# KiCad board PC110.kicad_pcb (continued)
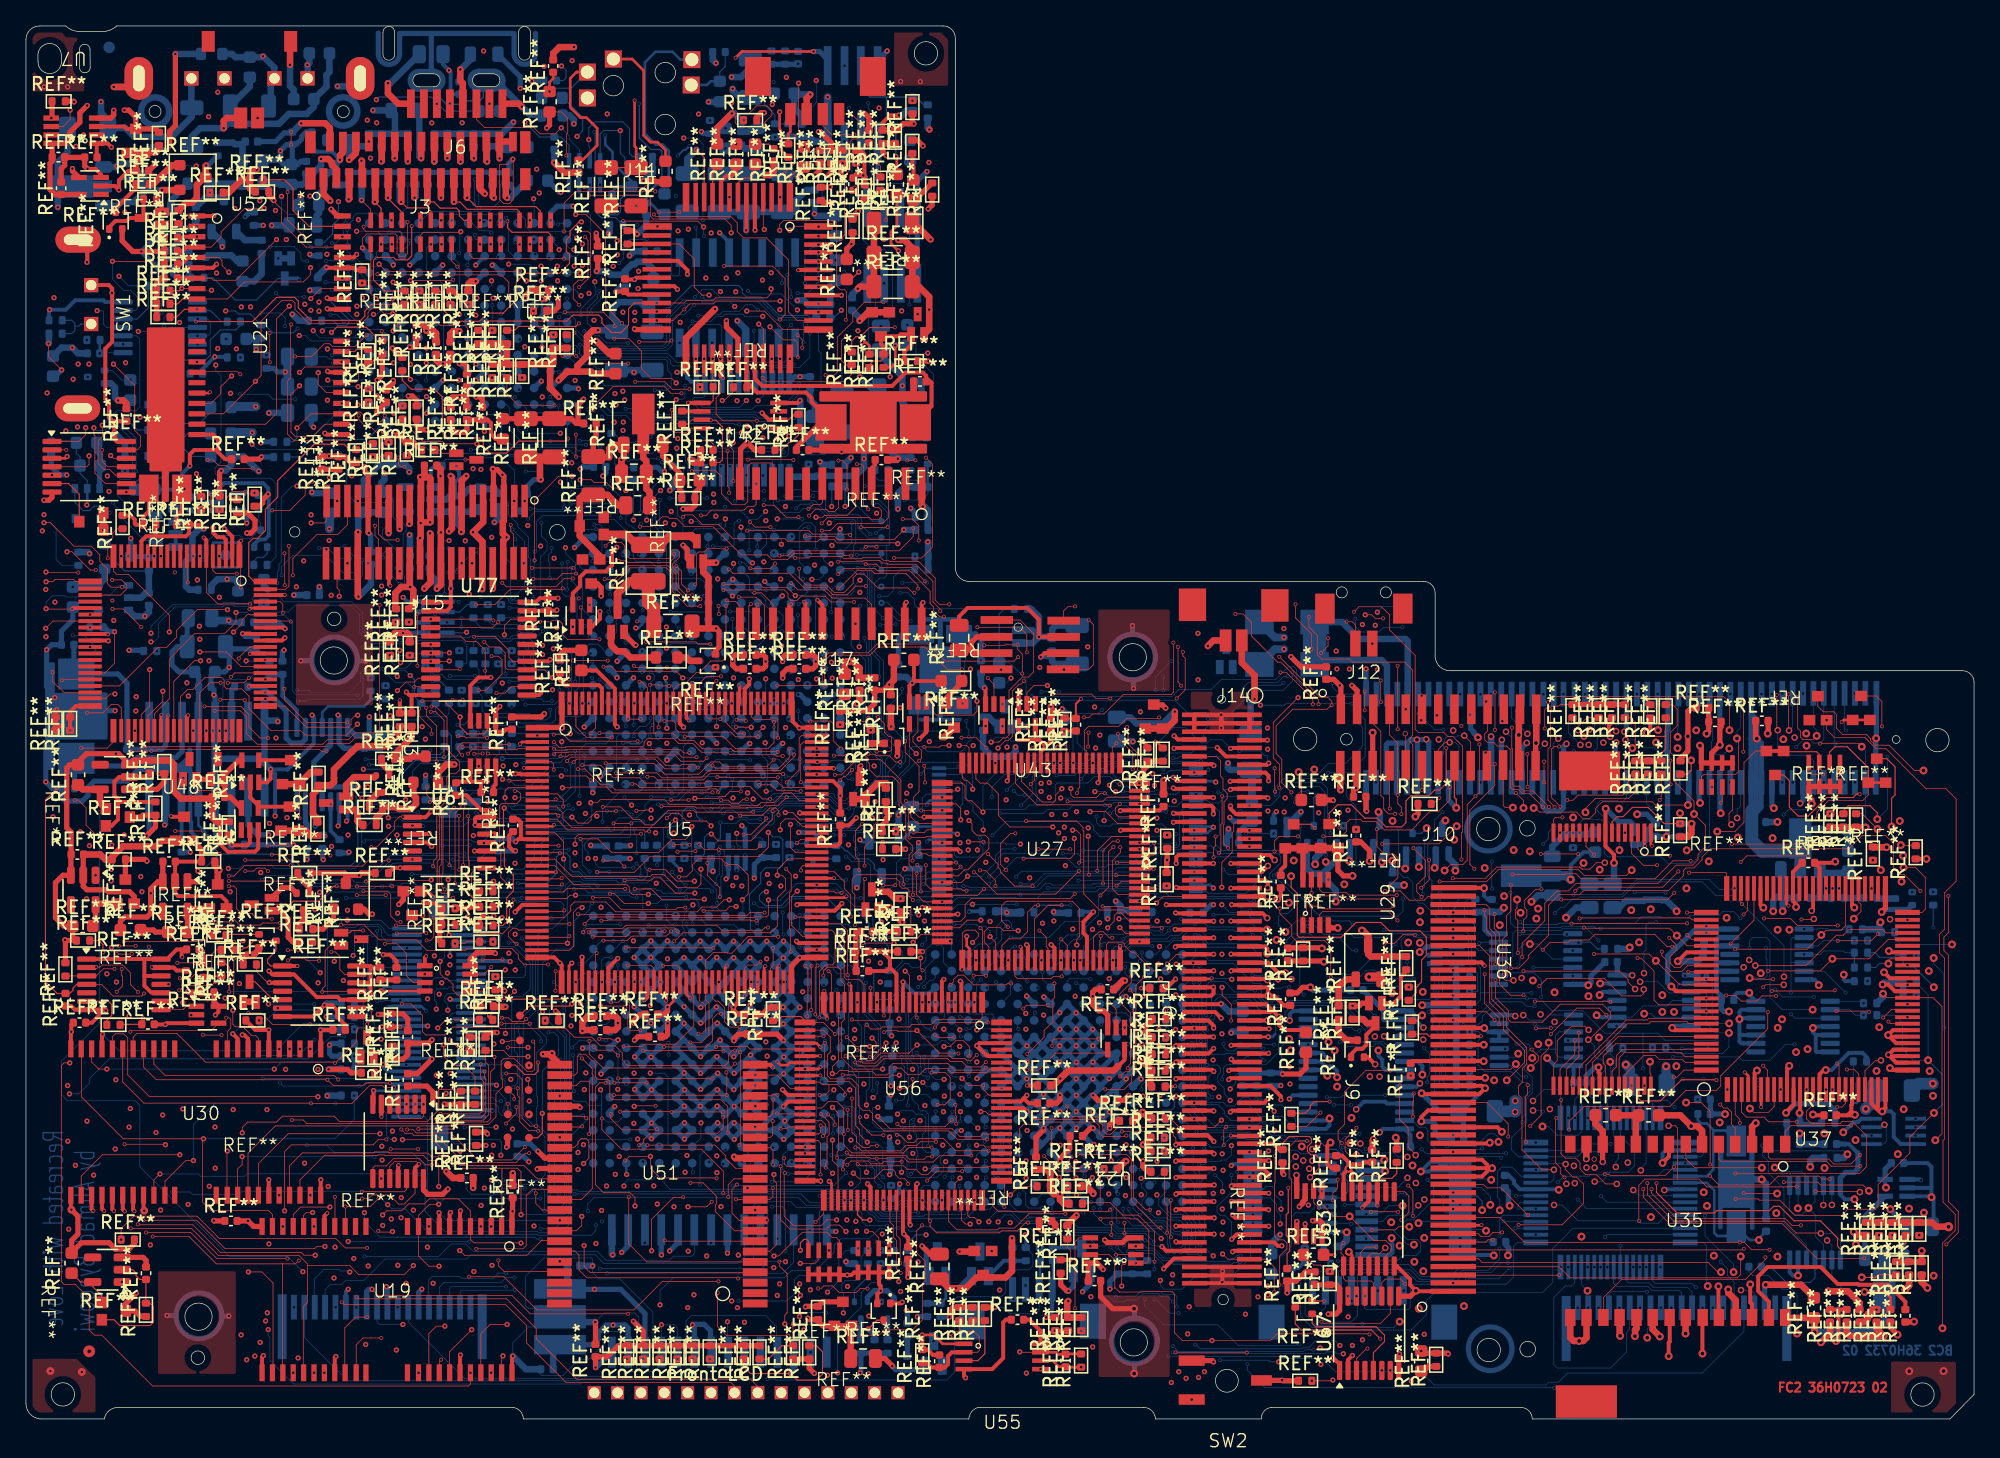
[diagram p0: board, top side]
## Routing (per net, layer and track width the routed paths; a pad name or vN(x,y) marks a point on that pad's centre or on a via; arc(x,y) is an arc through that point) (continued)
RAM_IOL7: length 212
  FC2 w0.05: v1(31.79,16.54) 31.09,16.54 30.23,15.69 30.23,12.57 31.03,11.77 v1(31.82,11.77)
  IC2 w0.05: v1(31.82,11.77) 31.32,12.27 27.81,12.27 24.51,15.57 24.51,32.36 26.06,33.91 26.06,39.39 26.81,40.14 26.81,51.46 25.04,53.23 25.04,55.21 28.21,58.38 28.21,64.23 29.79,65.81 33.15,65.81 35.14,67.8 35.14,70.86 33.55,72.46 33.55,72.86 33.55,72.86 33.55,74.27 33.95,74.67 33.95,76.74 36.71,79.5 36.71,86.42 39.76,89.47 43.77,89.47 46.13,87.11 v1(47.15,87.11)
  BC1 w0.05: v11(47.37,69.86) 47.37,68.33 48.18,67.52 48.18,63.93 48.71,63.4 v11(48.71,62.19) ; v11(57.54,20.91) 57.08,20.91 54.85,18.68 54.47,18.68 52.78,16.99 v11(39.62,16.99) ; v11(47.34,71.16) 47.34,81.02 46.36,82 v11(46.36,82.92) ; v11(44.17,86.94) 44.21,86.94 44.22,86.93 44.74,86.93 45.12,87.31 46.29,87.31 46.49,87.11 v1(47.15,87.11) 47.51,87.11 47.81,87.41 47.81,88.91 47.55,89.17 47.55,90.12 47.81,90.38 v11(47.81,90.92) ; v11(45.98,90.39) 45.98,92.85 45.84,92.99 45.84,94.42 45.98,94.56 45.98,96.97 45.5,97.45 40.04,97.45 38.95,98.54 38.38,98.54 37.92,98.08 37.92,96.11 37.09,95.28 v11(36.55,95.28)
  BC2 w0.05: v11(47.37,69.86) 47.34,69.89 v11(47.34,71.16) ; v11(46.36,82.92) 44.71,82.92 44.16,83.47 43.86,83.47 43.58,83.75 43.58,84.11 43.23,84.46 43.23,85.58 44.03,86.38 44.03,86.62 44.17,86.76 v11(44.17,86.94) ; v11(47.81,90.92) 47.42,90.92 47.39,90.89 46.48,90.89 v11(45.98,90.39) ; v11(36.55,95.28) 36.55,93.92 35.69,93.06 31.16,93.06 U23.D1 ; v11(48.71,62.19) 48.76,62.15 U2.E6 ; U1.M15 57.72,20.98 ; J2.30 30.69,23.29 30.92,23.06 30.92,17.53 31.79,16.66 v1(31.79,16.54) 32.24,16.99 v11(39.62,16.99)
  vias: v11(47.37,68.99)
RAM_IOL8: length 174.6
  FC1 w0.05: v1(30.92,13.24) 30.97,13.19 30.97,4.3 v2(30.23,3.56)
  IC1 w0.05: v1(23.81,13.24) v1(30.92,13.24)
  IC2 w0.05: v1(23.81,13.24) 21.45,15.6 21.45,18.84 21.98,19.37 21.98,34.08 22.29,34.39 v1(22.66,34.39)
  BC1 w0.05: v11(23.66,74.7) 23.66,74.71 23.67,74.72 23.67,81.33 v11(23.66,81.34) ; v1(30.92,13.24) 30.92,22.92 v11(31.2,23.2) ; v11(46.2,60.99) 45.89,61.3 43.55,61.3 43.35,61.1 v11(43.05,61.1) ; v11(41.99,65.61) 28.99,65.61 28.94,65.56 v11(28.55,65.56) 28.1,65.11 28.1,64.01 28.21,63.9 28.21,60.29 27.46,59.54 27.46,56.96 27.07,56.57 27.07,54.62 27.33,54.36 27.33,53.7 26.83,53.2 26.83,51.35 27.14,51.04 27.14,48.57 27.25,48.46 27.25,41.63 27.44,41.44 v11(27.44,41.02) ; v11(35.94,23.74) 36.19,23.74 36.42,23.97 39.97,23.97 40.52,24.52 55.59,24.52 56.45,23.66 56.45,21.11 v11(56.44,21.1) ; v11(32.68,87.62) 32.29,87.62 31.84,87.17 31.84,86.23 31.57,85.96 30.76,85.96 29.91,85.11 29.91,84.15 29.09,83.33 v11(27.04,83.33)
  BC2 w0.05: U1.L15 56.44,21.02 v11(56.44,21.1) ; U23.F4 32.79,87.73 v11(32.68,87.62) ; v11(28.55,65.56) 28.55,66.91 27.45,68.01 27.45,68.48 28.1,69.13 28.1,70.41 27.87,70.64 25.38,70.64 24.69,71.33 24.69,74.09 24.08,74.7 v11(23.66,74.7) ; v11(23.66,81.34) 26.91,81.34 27.02,81.45 27.02,83.31 v11(27.04,83.33) ; v11(46.2,60.99) 46.2,61.64 ; v1(22.66,34.39) 21.67,35.38 21.67,40.57 22.13,41.03 24.12,41.03 24.29,40.86 26.79,40.86 26.95,41.02 v11(27.44,41.02) ; v11(31.2,23.2) 31.79,23.79 34.32,23.79 34.33,23.78 ; v11(41.99,65.61) 41.99,64.64 42.44,64.19 42.44,61.71 v11(43.05,61.1)
  BC2 w0.2: v11(35.94,23.74) 35.9,23.78
  BC2 w0.3: J2.32 35.89,23.79 v11(35.94,23.74)
RAM_IOL9: length 133.3
  FC2 w0.05: U19.36 31.04,6.58 31.61,7.15 v1(32.26,7.15)
  BC1 w0.05: v11(35.9,66.38) v11(36.91,66.38) ; v11(34.87,67.86) 34.87,68.93 34.06,69.74 33.07,69.74 31.52,71.29 31.52,73.2 32.88,74.56 32.88,78.88 33.18,79.18 33.56,79.18 33.76,79.38 33.76,80.38 33.35,80.79 33.13,80.79 32.84,81.08 32.84,81.1 32.81,81.13 32.81,81.44 32.43,81.82 v11(32.15,81.82) ; v11(37.98,23.39) 38.39,22.98 40.08,22.98 40.39,23.29 42.26,23.29 42.59,22.96 44.2,22.96 44.45,23.21 47.22,23.21 47.6,22.83 47.6,22.68 47.9,22.38 54.26,22.38 55.16,21.48 v11(55.16,19.84) ; v11(44.9,60.97) 44.54,60.97 44.38,60.81 41.9,60.81 41.29,61.42 40.62,61.42 40.22,61.02 40.22,60.66 39.98,60.42 39.59,60.42 39.22,60.79 v11(39.22,61.3) 39,61.3 38.9,61.2 38.9,59.06 38.57,58.73 38.57,57 39.09,56.48 39.09,53.25 39.41,52.93 39.41,42.83 39.32,42.74 39.32,33.21 39.08,32.97 39.08,30.39 38.85,30.16 v11(37.93,30.16) ; v1(32.26,7.15) 32.26,16.71 33.53,17.98 33.89,17.98 34.36,18.45 34.36,24.22 v11(34.29,24.29)
  BC2 w0.05: v11(32.15,81.82) 32.15,87.41 31.83,87.73 31.22,87.73 30.87,88.08 30.87,90.23 U23.E2 ; v11(34.87,67.86) 35.9,66.83 v11(35.9,66.38) ; v11(37.93,30.16) 37.93,29.76 38.04,29.65 38.04,24.63 37.95,24.54 37.95,23.42 v11(37.98,23.39) 36.68,23.39 36.37,23.7 36.37,24.04 36.12,24.29 v11(34.29,24.29) ; v11(36.91,66.38) 37.31,65.98 37.31,63.13 37.4,63.04 37.8,63.04 37.92,63.16 38.71,63.16 38.74,63.13 38.78,63.13 39.22,62.69 v11(39.22,61.3) ; U1.K16 55.16,19.74 v11(55.16,19.84) ; v11(44.9,60.97) 44.93,61 44.93,61.64
RAM_IOL10: length 159.7
  FC2 w0.05: v2(31.98,4.57) 31.84,4.43 U19.37
  FC1 w0.05: v1(39.13,14.87) 39.13,4.68 37.58,3.13 32.74,3.13 31.98,3.89 v2(31.98,4.57) ; v1(41.55,67.15) 40.38,67.15 40.38,67.17 39.52,68.03 39.52,71.48 39.12,71.88 39.12,78.87 39.56,79.31 41.09,79.31 41.83,80.05 41.83,87.8 41.46,88.17 40.97,88.17 40.48,88.66 40.48,90.25 41.22,90.99 v1(42.41,90.99)
  IC2 w0.05: v1(38.77,24.5) 38.32,24.95 38.32,26.57 39.27,27.52 39.27,29.92 39,30.19 37.71,30.19 37.39,30.51 35.87,30.51 35.25,31.13 35.25,33.09 35.82,33.66 38,33.66 39.14,34.8 39.14,55.81 38.44,56.51 38.44,66.22 38.74,66.52 40.3,66.52 40.93,67.15 v1(41.55,67.15)
  IC4 w0.05: v1(38.77,24.5) 38.77,22.8 39.95,21.62 39.95,17.9 39.13,17.08 v1(39.13,14.87)
  BC1 w0.05: v1(39.13,14.87) 39.13,15.84 39.64,16.35 43.46,16.35 43.63,16.18 43.63,16 44.07,15.56 55.01,15.56 55.88,16.43 v11(55.88,18.67) ; v1(38.77,24.5) 36.59,24.5 v11(36.58,24.49)
  BC2 w0.05: v1(42.41,90.99) 41.89,91.51 38.87,91.51 38.47,91.91 38.47,92.43 37.83,93.07 36.52,93.07 36.28,92.83 32.2,92.83 U23.E1 ; v1(41.55,67.15) 41.55,66.72 42.33,65.94 42.33,65.22 42.85,64.7 42.85,62.42 43.05,62.22 43.06,62.22 43.67,61.61 ; J2.34 35.93,24.79 36.23,24.49 v11(36.58,24.49) ; v11(55.88,18.67) 55.79,18.76 55.79,20.32 U1.K15
RAM_IOL11: length 132.6
  FC2 w0.05: U19.38 32.64,5.19 v1(34.33,6.88)
  FC1 w0.05: v1(45.23,88.83) 44.83,88.43 44.83,82.83 44.55,82.55 44.55,75.37 45.34,74.58 45.34,68.79 45.9,68.23 45.9,61.58 46.52,60.96 v1(46.97,60.96)
  IC4 w0.05: v1(42.94,21.14) 42.94,23.49 45.97,26.52 45.97,60.05 45.96,60.05 45.96,60.51 46.41,60.96 v1(46.97,60.96)
  BC1 w0.05: v11(33.38,87.2) 36.08,87.2 36.14,87.26 38.92,87.26 38.96,87.3 39.55,87.3 39.6,87.25 39.94,87.25 40.06,87.37 40.65,87.37 40.84,87.18 41.49,87.18 41.88,87.57 43.25,87.57 43.6,87.22 44.21,87.22 45.23,88.24 v1(45.23,88.83) ; 37.66,21.14 37.66,21.27 36.82,22.11 v11(36.82,23.69) ; 37.66,21.14 37.66,20.13 36.32,18.79 36.32,8.44 34.76,6.88 v1(34.33,6.88) ; 37.66,21.14 v1(42.94,21.14) 43.49,21.14 44.07,20.56 44.07,20.27 44.92,19.42 46.8,19.42 47.23,18.99 49.92,18.99 50.34,19.41 52.71,19.41 52.94,19.64 v11(53.69,19.64)
  BC2 w0.05: v11(53.69,19.64) 53.79,19.64 U1.J16 ; J2.35 36.32,25.29 36.91,24.7 36.91,24.19 36.82,24.1 v11(36.82,23.69) ; U23.F3 33.4,89 33.4,87.22 v11(33.38,87.2)
  BC2 w0.2: 47.47,61.64 47.47,61.25 47.18,60.96 v1(46.97,60.96)
RAM_IOL12: length 338.8
  FC2 w0.05: v1(3.37,27.44) 2.93,27.44 2.72,27.23 2.72,10.58 2.93,10.37 3.8,10.37 4.87,9.3 4.87,6.86 5.27,6.46 5.83,6.46 9.75,2.54 34.08,2.54 34.23,2.7 v2(34.23,3.56)
  FC1 w0.05: v2(34.23,3.56) 34.9,3.56 35.4,4.06 35.4,14.52 35.44,14.56 35.44,16.93 35.31,17.06 v1(35.31,17.79) 35.31,18.39 34.89,18.81 34.89,22.1 35.28,22.49 v1(36.21,22.49)
  IC1 w0.05: v1(39.9,104.24) 39.9,101.99 38.39,100.48 26.68,100.48 v1(26.29,100.09)
  IC2 w0.05: v1(36.21,22.49) 36.21,23.11 36.22,23.12 36.22,23.19 36.71,23.68 39.19,23.68 40.02,24.51 43.46,24.51 43.69,24.74 43.69,27.04 41.68,29.05 41.68,29.82 41.52,29.98 41.52,32.34 44.24,35.06 44.24,37.09 40.87,40.46 40.87,50.29 41.92,51.34 v1(41.92,52.81) ; v1(26.29,100.09) 25.2,99 22.68,99 10.09,86.41 v1(2.16,86.41)
  IC4 w0.05: 2.21,73.31 2.21,73.34 ; 2.21,73.31 2.21,79.12 2.23,79.14 2.23,86.34 v1(2.16,86.41) ; 2.21,73.31 2.21,73.03 3.23,72.01 ; 3.23,72.01 3.62,71.62 3.62,65.81 3.11,65.3 3.11,37.4 3.87,36.65 3.87,27.61 3.7,27.44 v1(3.37,27.44) ; 3.23,72.01 3.21,72.03 ; v1(41.92,52.81) 41.92,55.26 42.72,56.06 42.72,59.54 41.89,60.37 41.89,65.86 42.67,66.64 42.67,70.44 41.58,71.53 41.58,74.96 41.65,75.03 41.65,96.99 39.72,98.92 39.72,99.92 39.88,100.08 39.88,104.22 v1(39.9,104.24)
  BC1 w0.05: v11(42.61,58.05) 44.42,58.05 v11(46.2,59.83) ; v11(34.29,26.29) 34.03,26.03 34.03,23.18 33.78,22.93 v11(33.78,22.47) ; v11(38.43,17.75) 39.05,18.37 53.41,18.37 54.06,19.02 54.06,19.06 54.07,19.07 54.07,20.56 v11(53.89,20.74) ; v1(39.9,104.24) 39.9,103.11 38.78,101.99 37.17,101.99 36.78,101.6 35.61,101.6 35.09,101.08 v11(35.09,95.57) ; v1(41.92,52.81) 41.92,53.3 42.13,53.51 42.13,54.05 42.25,54.17 v11(42.25,54.76) ; v11(32.73,90.6) 35.65,90.6 37.3,92.25 37.3,92.71 37,93.01 35.99,93.01 35.8,93.2 35.39,93.2 35.27,93.32 v11(34.88,93.32)
  BC2 w0.05: v11(38.43,17.75) 38.41,17.73 37.97,17.73 37.91,17.79 v1(35.31,17.79) ; v11(34.88,93.32) 34.88,95.05 35.09,95.26 v11(35.09,95.57) ; v11(42.61,58.05) 42.61,56.4 42.25,56.04 v11(42.25,54.76) ; v11(33.78,22.47) 36.19,22.47 v1(36.21,22.49) ; U23.F2 32.73,90.82 v11(32.73,90.6) ; v11(53.89,20.74) 53.89,20.95 U1.J15 ; v11(46.2,59.83) 46.2,60.37
RAM_IOL13: length 136.2
  FC2 w0.05: v1(37.06,7.28) 35.76,7.28 35.04,6.56 U19.41
  IC4 w0.05: v1(37.06,7.28) 37.06,19.93 37.46,20.33 37.46,22.32 v1(37.48,22.34)
  BC1 w0.05: v11(36.89,82.58) 37.47,82 40.63,82 40.76,81.87 42.63,81.87 44.28,80.22 45.79,80.22 46.7,79.31 46.7,75.07 46.18,74.55 44.61,74.55 44.53,74.47 43.58,74.47 43.47,74.36 43.47,67.57 43.9,67.14 43.9,66.13 44.73,65.3 46.14,65.3 46.63,64.81 46.63,62.95 v11(45.9,62.22) ; v11(41.65,58.68) 44.33,58.68 44.93,59.28 v11(44.93,59.85) ; v11(41.64,56.86) 41.4,56.62 40.39,56.62 40.11,56.34 40.11,55.67 39.28,54.84 39.28,53.48 39.6,53.16 39.6,42.22 39.49,42.11 39.49,32.54 39.26,32.31 39.26,27.92 39.53,27.65 40.57,27.65 40.95,28.03 42.13,28.03 v11(42.14,28.04) ; v1(37.48,22.34) 40.32,22.34 v11(40.33,22.35) 43.21,22.35 44.8,20.76 44.8,20.54 45.7,19.64 46.89,19.64 47.34,19.19 49.73,19.19 50.22,19.68 52.02,19.68 52.15,19.81 v11(52.63,19.81) ; v11(35.92,85.84) 35.57,85.84 35.34,86.07 35.34,86.69 35.15,86.88 v11(32.86,86.88) ; v11(42.22,25.26) 40.37,25.26 v11(40.35,25.28) 40.31,25.24 36.11,25.24 34.56,26.79 v11(34.29,26.79)
  BC2 w0.05: v11(42.14,28.04) 42.16,28.02 42.16,25.32 v11(42.22,25.26) ; v11(32.86,86.88) 32.86,87 U23.F5 ; v11(52.63,19.81) 52.63,19.75 U1.H16 ; v11(41.65,58.68) 41.64,58.67 v11(41.64,56.86) ; v11(40.33,22.35) 40.35,22.37 v11(40.35,25.28) ; v11(36.89,82.58) 36.49,82.58 35.92,83.15 v11(35.92,85.84) ; v11(45.9,62.22) 45.46,61.78 45.46,60.59 45.24,60.37 44.93,60.37 v11(44.93,59.85)
RAM_IOL14: length 242.9
  FC1 w0.05: v1(35.9,11.83) 36.01,11.72 36.01,3.71 35.86,3.56
  IC1 w0.05: v1(1.63,79.07) 2.13,79.57 8.23,79.57 9.01,78.79 9.05,78.79 9.61,78.23 16.43,78.23 17.44,79.24 18.03,79.24 18.85,80.06 18.88,80.06 18.88,81.79 21.7,84.61 22.31,84.61 22.57,84.87 v1(22.57,85.37)
  IC3 w0.05: v1(35.9,11.83) 35.9,13 35.03,13.87 26.88,13.87 26.13,14.62 v1(3.29,14.62)
  IC4 w0.05: v1(1.63,79.07) 1.63,77.89 1.8,77.72 1.8,70.38 2.74,69.44 2.74,67.41 2.75,67.4 2.62,67.28 2.62,15.29 v1(3.29,14.62)
  BC1 w0.05: v11(39.13,17.66) 39.14,17.67 43.37,17.67 43.51,17.53 51.39,17.53 v11(51.92,18.06) ; v11(25.16,87.9) 25.42,87.9 v11(27,89.48) ; v11(24.78,90.49) 24.78,89.57 25.17,89.18 v11(25.17,88.85) ; v11(40.16,60.09) 40.47,59.78 41.28,59.78 41.74,60.24 v11(43.42,60.24) ; v11(29.55,90.81) 30.16,91.42 32.28,91.42 v11(32.73,91.87) ; v1(22.57,85.37) 22.22,85.02 21.37,85.02 20.74,85.65 20.74,89.87 21.83,90.96 22.26,90.96 22.87,91.57 24.35,91.57 24.42,91.64 v11(24.76,91.64) ; v11(37.93,59.8) 37.95,59.82 v11(37.95,60.6) ; v11(37.36,32.21) 36.85,32.21 36.44,32.62 36.44,33.33 36.99,33.88 38.75,33.88 38.91,34.04 38.91,43.15 39.07,43.31 39.07,52.55 38.72,52.9 38.72,56.12 38.21,56.63 38.21,58.23 v11(37.97,58.47) ; v11(33.9,18.58) 33.9,21.4 33.46,21.84 33.46,23.05 33.85,23.44 33.85,26.85 v11(34.29,27.29) ; v11(35.87,17.32) 35.9,17.29 v1(35.9,11.83)
  BC2 w0.05: U1.H15 51.92,20.31 v11(51.92,18.06) ; v11(32.73,91.87) 32.73,92.09 U23.F1 ; v11(27,89.48) 27,89.89 27.34,90.23 29.27,90.23 29.55,90.51 v11(29.55,90.81) ; v11(24.76,91.64) 24.78,91.62 v11(24.78,90.49) ; v11(25.17,88.85) 25.17,87.91 v11(25.16,87.9) ; v11(33.9,18.58) 33.9,17.72 34.3,17.32 v11(35.87,17.32) 38.79,17.32 v11(39.13,17.66) ; v11(37.95,60.6) 38.97,60.6 39.41,61.04 39.94,61.04 40.08,60.9 40.08,60.86 40.16,60.78 v11(40.16,60.09) ; v11(43.42,60.24) 43.53,60.24 43.66,60.37 ; v11(37.97,58.47) 37.97,59.76 v11(37.93,59.8) ; v11(37.36,32.21) 37.42,32.15 37.42,28.1 36.61,27.29 v11(34.29,27.29)
  vias: v2(35.84,3.56)
RAM_IOL15: length 166.5
  FC2 w0.05: U19.43 36.64,4.76 v1(36.74,4.86)
  IC2 w0.05: v1(33.37,85.12) 34.07,85.82 34.07,87.64 38.19,91.76 45.76,91.76 48.15,89.37 50.93,89.37 v1(52.37,87.93)
  IC3 w0.05: v1(36.58,20.32) 37.37,20.32 38.83,18.86 43.62,18.86 44.28,19.52 50.93,19.52 51.47,18.98 v1(53.22,18.98)
  IC4 w0.05: v1(36.58,20.32) 36.58,5.02 v1(36.74,4.86) ; v1(53.22,18.98) 53.87,19.63 53.87,39.65 52.92,40.6 52.92,41.47 52.41,41.98 52.41,42.67 51.85,43.23 51.42,43.23 50.62,44.03 50.62,47.68 51.46,48.52 51.46,50.72 52.09,51.35 v1(52.09,52.11) 52.09,53.17 51.43,53.83 51.43,58.01 50.64,58.8 50.64,65.14 50.09,65.69 50.09,67.82 50.8,68.53 50.8,69.45 51.21,69.86 51.21,70.74 50.75,71.2 50.75,73.39 49.52,74.62 49.52,75.21 49.75,75.44 49.75,78.05 49.23,78.57 49.23,82.68 49.75,83.2 49.75,87.4 49.93,87.58 52.02,87.58 v1(52.37,87.93)
  BC1 w0.05: v11(34.01,87.65) 33.21,87.65 32.5,86.94 32.5,85.53 32.91,85.12 v1(33.37,85.12) ; v11(34.29,27.79) 33.66,27.16 33.66,23.66 33.25,23.25 33.25,22.04 33.16,21.95 v11(33.16,21.52) ; v1(53.22,18.98) 53.22,19.07 51.44,19.07 v11(51.37,19) ; v1(52.09,52.11) v11(52.09,58.4)
  BC2 w0.05: v11(33.16,21.52) 36.45,21.52 36.62,21.35 36.62,20.36 v1(36.58,20.32) ; v11(52.09,58.4) 48.52,58.4 48.17,58.75 48.17,59.65 47.48,60.34 ; v11(51.37,19) 51.32,19.05 U1.G16 ; v11(34.01,87.65) 34.06,87.7 U23.G4
RAM_IOU0: length 149.2
  FC1 w0.05: v2(21.91,28.52) 21.91,29.85 22.34,30.28 22.34,31.96 23.43,33.05 24.59,33.05 25.85,34.31 25.85,37.26 24.76,38.35 v1(24.76,38.44)
  IC4 w0.05: v1(24.76,38.44) 24.1,39.1 24.1,44.63 23.46,45.27 23.46,55.34 21.81,56.99 21.81,64.02 23.76,65.97 23.76,71.35 v1(25.09,72.68)
  BC1 w0.05: 42.98,42.3 42.98,40.09 42.47,39.58 42.47,38.92 43.66,37.73 43.66,34.07 44.28,33.45 45.98,33.45 46.05,33.52 60.61,33.52 60.94,33.19 60.94,31.44 v11(61.32,31.06) ; 42.98,42.3 42.98,42.06 ; 42.98,42.3 43.38,42.7 44.16,42.7 44.43,42.97 44.43,45.64 45.07,46.28 45.07,50.67 ; v11(46.81,53.49) 46.81,53.48 ; 46.81,53.48 46.32,52.99 46.32,51.92 45.07,50.67 ; 46.81,53.48 46.8,53.47 ; 41.94,70.53 v11(41.94,70.52) 39.49,70.52 38.87,71.14 38.87,73.21 v11(38.24,73.84) ; 45.07,50.67 45.07,50.26 ; v11(45.83,70.51) 45.85,70.49 46.52,70.49 46.61,70.4 48,70.4 48.42,69.98 48.42,67.96 48.73,67.65 v11(48.73,66.05) 48.73,64.58 48.9,64.41 48.9,62.64 49.08,62.46 49.08,61.53 48.7,61.15 48.7,58.85 48.89,58.66 48.89,56.62 49.13,56.38 49.13,55.3 48.96,55.13 47.03,55.13 v11(46.81,54.91)
  BC2 w0.05: v11(61.32,31.06) 61.4,31.06 U1.R7 ; v1(25.09,72.68) 25.09,73.57 25.56,74.04 29.44,74.04 29.66,74.26 29.66,76.32 U23.D13 30.25,75.43 31.27,74.41 34.83,74.41 35.13,74.11 35.17,74.11 35.2,74.08 35.98,74.08 36.11,74.21 37.87,74.21 v11(38.24,73.84) ; v11(48.73,66.05) 48.73,66.72 ; v11(45.83,70.51) 45.82,70.52 v11(41.94,70.52) ; 29.38,37.78 29.37,37.79 27.99,37.79 27.34,38.44 v1(24.76,38.44) ; v11(46.81,54.91) v11(46.81,53.49)
RAM_IOU1: length 134.9
  FC1 w0.05: v1(22.5,33.61) 21.49,32.6 21.49,28.9 v2(21.11,28.52)
  IC1 w0.05: v1(32.02,33.61) 32.06,33.65 47.26,33.65 48.09,32.82 v1(48.09,31.86)
  IC2 w0.05: v1(45.37,79.02) 44.77,78.42 44.77,77.66 45.24,77.19 46.96,77.19 47.46,76.69 47.46,71.17 48.3,70.33 48.3,61.51 48.78,61.03 v1(49.33,61.03)
  IC3 w0.05: v1(32.02,33.61) 31.53,34.1 27.16,34.1 26.39,33.33 24.16,33.33 23.88,33.61 v1(22.5,33.61) ; v1(29.62,81.27) 30.29,80.6 44.48,80.6 45.37,79.71 v1(45.37,79.02)
  IC4 w0.05: v1(48.09,31.86) 48.52,32.29 48.52,36.99 48.37,37.14 48.37,39.39 48.99,40.01 48.99,47.96 49.89,48.86 49.89,60.47 v1(49.33,61.03)
  BC1 w0.05: v11(23.6,39.21) 22.17,37.78 22.17,33.94 v1(22.5,33.61) ; v1(29.62,81.27) 29.63,81.26 30.21,81.26 30.35,81.12 30.35,80.96 30.46,80.85 v11(30.84,80.85) ; v11(32.76,80.5) 31.75,80.5 31.28,80.03 v11(30.82,80.03) ; v1(48.09,31.86) 48.83,31.12 59.7,31.12 v11(60.24,30.58) ; v11(49.32,62.8) 49.32,61.04 v1(49.33,61.03)
  BC2 w0.05: U1.P7 60.21,30.61 v11(60.24,30.58) ; 29.38,37.28 29.37,37.29 27.9,37.29 27.62,37.57 27.61,37.57 27.58,37.6 27.58,37.76 27.22,38.12 25.61,38.12 25.37,37.88 24.61,37.88 24.32,38.17 24.32,38.49 v11(23.6,39.21) ; v11(30.84,80.85) 30.84,80.05 v11(30.82,80.03)
RAM_IOU2: length 141
  FC1 w0.05: v2(20.31,28.52) 20.82,29.03 20.82,34.33 22.2,35.71 v1(25.2,35.71)
  IC1 w0.05: v1(63.83,29.99) 63.32,29.99 63.21,29.88 60.2,29.88 59.11,28.79 57.33,28.79 57.23,28.69 56.27,28.69 56.19,28.78 50.5,28.78 47.5,31.77 47.5,31.85 45.87,33.48 36.77,33.48 36.4,33.11 32.1,33.11 32.02,33.19 31.64,33.19 31.55,33.1 31.18,33.1 30.55,33.73 30.55,35.61 29.78,36.38 25.87,36.38 v1(25.2,35.71)
  BC1 w0.05: v1(63.83,29.99) 63.09,29.99 v11(62.92,29.82) ; v11(35.21,67.1) 35.55,67.44 37.76,67.44 37.98,67.66 37.98,69.07 37.96,69.09 38.25,69.38 v11(38.68,69.38) ; v11(34.23,67.07) 32.58,67.07 v11(32.55,67.1) 28.31,67.1 27.5,67.91 27.5,69.24 28.32,70.06 29.22,70.06 30.79,71.63 30.81,71.63 30.81,73.38 31.66,74.23 31.66,76.82 v11(31.67,76.83) ; v11(45.5,69.91) 45.5,68.32 46.11,67.71 v11(46.77,67.71) ; v11(27.61,47.38) 27.61,48.56 27.37,48.8 27.37,51.16 27.06,51.47 27.06,53.14 27.57,53.65 27.57,54.46 27.29,54.74 27.29,56.51 27.64,56.86 27.64,59.26 28.39,60.01 28.39,63.99 28.28,64.1 28.28,64.76 28.74,65.22 v11(32.53,65.22) ; v11(26.27,47.38) 25.59,47.38 25.36,47.15 25.36,44.8 24.01,43.45 v11(24.01,39.98)
  BC2 w0.05: v11(31.67,76.83) 31.6,76.83 U23.E13 ; v11(24.01,39.98) 23.61,39.98 23.29,39.66 23.29,38.75 24.39,37.65 25.29,37.65 ; 25.29,37.65 25.59,37.65 25.91,37.97 27.11,37.97 27.37,37.71 27.37,37.19 27.77,36.79 29.37,36.79 29.38,36.78 ; 25.29,37.65 25.3,37.64 25.3,35.81 v1(25.2,35.71) ; U1.T8 62.8,29.82 v11(62.92,29.82) ; v11(46.77,67.71) 46.77,66.34 47.02,66.09 48.1,66.09 48.73,65.45 ; v11(34.23,67.07) 35.18,67.07 v11(35.21,67.1) ; v11(32.53,65.22) 32.55,65.24 v11(32.55,67.1) ; v11(45.5,69.91) 45.49,69.92 39.22,69.92 v11(38.68,69.38) ; v11(26.27,47.38) v11(27.61,47.38)
RAM_IOU3: length 184.9
  FC2 w0.05: v2(15.91,37.83) 19.57,37.83 v2(19.58,37.82) ; v2(20.18,35.34) 20.28,35.34 20.45,35.51 21.44,35.51 21.63,35.32 v2(22.58,35.32)
  FC1 w0.05: v1(16.44,33.55) 16.44,36.28 16.39,36.33 16.39,36.87 15.91,37.35 v2(15.91,37.83) ; v1(23.75,35.27) 23.74,35.26 23.09,35.26 23.02,35.33 22.59,35.33 v2(22.58,35.32) ; v2(19.58,37.82) 19.58,35.94 v2(20.18,35.34) 20.2,35.32 20.2,34.78 20.33,34.65 20.33,29.66 19.51,28.84 v2(19.51,28.52)
  IC2 w0.05: v1(24.82,13.68) 24.82,14.43 24.16,15.09 24.16,33.02 23.75,33.43 v1(23.75,35.27)
  BC1 w0.05: v11(25.59,75.07) 30.95,75.07 31.3,75.42 31.3,77.68 31.73,78.11 32.11,78.11 ; v11(22.9,75.06) 22.9,67.27 23.68,66.49 23.68,64.31 21.56,62.19 21.56,55.16 21.12,54.72 17.65,54.72 16.24,53.31 16.24,40.03 15.94,39.73 15.94,34.05 v1(16.44,33.55) ; v11(29.34,36.29) 29.31,36.26 24.22,36.26 23.75,35.79 v1(23.75,35.27) ; 32.11,78.11 32.12,78.12 v11(32.12,78.7) ; 32.11,78.11 32.44,78.11 32.58,77.97 v11(32.58,75.56) ; v11(59.57,25.14) 58.89,25.14 58.48,24.73 40.46,24.73 40.25,24.94 36.45,24.94 34.86,23.35 34.86,17.19 34.86,17.22 34.16,16.52 v11(34.16,13.66) ; v11(44.22,74.1) 44.85,73.47 44.85,72.57 v11(45.11,72.31)
  BC2 w0.05: v11(25.59,75.07) 25.58,75.06 v11(22.9,75.06) ; v11(34.16,13.66) 24.84,13.66 v1(24.82,13.68) ; 47.47,67.99 46.64,68.82 46.47,68.82 46.21,69.08 46.21,70.65 45.11,71.75 v11(45.11,72.31) ; v11(59.57,25.14) 59.57,28.71 60.07,29.21 60.82,29.21 U1.R8 ; v11(32.12,78.7) 32.53,78.7 32.79,78.96 U23.F11 ; v11(44.22,74.1) 43.71,74.61 42.51,74.61 42.23,74.89 35.97,74.89 35.24,75.62 32.64,75.62 v11(32.58,75.56)
RAM_IOU4: length 185.1
  FC2 w0.05: U30.7 17.91,29.34 17.71,29.53 17.41,29.53 16.72,30.22 16.13,30.22 15.94,30.41 v1(15.94,31.49)
  IC1 w0.05: v1(15.94,31.49) 18.2,31.49 v1(18.68,31.97)
  IC4 w0.05: v1(18.68,31.97) 18.68,32.87 19.18,33.37 19.18,42.21 21.21,44.24 21.21,54.91 19.25,56.87 19.25,81.55 20.81,83.11 21.25,83.11 22.01,83.87 v1(22.13,83.87)
  BC1 w0.05: v11(43.41,42.18) 43.7,42.47 44.22,42.47 44.93,41.76 44.93,37.81 44.71,37.59 44.71,34.95 45.21,34.45 54.39,34.45 54.65,34.19 58.04,34.19 58.91,35.06 59.78,35.06 60.25,35.53 v11(60.54,35.53) ; v11(35.21,78.75) 35.21,78.98 35.01,79.18 35.01,79.75 35.14,79.88 35.14,82.05 34.97,82.22 33.68,82.22 33.68,82.21 v11(33.39,81.92) ; v11(37.66,78.73) 37.66,76.23 38.15,75.74 40.49,75.74 40.76,75.47 40.76,71.81 40.93,71.64 41.84,71.64 v11(42.07,71.41) ; 23.32,34.22 25.19,34.22 26.19,35.22 29.27,35.22 v11(29.34,35.29) ; 23.32,34.22 23.32,38.37 24.58,39.63 25.46,39.63 26.09,40.26 26.09,44.48 v11(26.06,44.51) ; 23.32,34.22 23.32,33.56 22.21,32.45 v11(22.21,31.96) ; v11(35.56,46.03) 35.57,46.02 v11(35.57,45.39) ; v11(43.78,70.82) v11(43.78,68.92) ; v11(41.3,46.03) 41.29,46.02 v11(41.29,44.73) ; v11(25.5,83.45) 25.5,82.57 26.11,81.96 29.59,81.96 30.57,82.94 33.38,82.94 v11(33.39,82.95) ; v11(47.23,66.63) 46.66,66.06 v11(45.32,66.06)
  BC2 w0.05: v11(47.23,66.63) 47.38,66.63 47.47,66.72 ; v1(18.68,31.97) 22.2,31.97 v11(22.21,31.96) ; U23.F9 33.32,81.99 v11(33.39,81.92) v11(33.39,82.95) ; v11(41.29,44.73) 42.6,44.73 42.88,44.45 42.88,42.71 v11(43.41,42.18) ; v11(35.57,45.39) 35.57,44.85 35.18,44.46 34.46,44.46 34.3,44.62 26.17,44.62 v11(26.06,44.51) ; v11(43.78,70.82) 42.66,70.82 v11(42.07,71.41) ; v11(35.21,78.75) 37.64,78.75 v11(37.66,78.73) ; v11(35.56,46.03) v11(41.3,46.03) ; v11(45.32,66.06) 44.68,66.06 44.36,66.38 44.36,68.78 44.22,68.92 v11(43.78,68.92) ; v11(60.54,35.53) 60.88,35.19 60.88,30.54 U1.P8 ; v11(25.5,83.45) 25.36,83.31 22.62,83.31 22.13,83.8 v1(22.13,83.87)
RAM_IOU5: length 147.8
  FC2 w0.3: U30.8 17.11,29.3 16.8,29.6 v1(16.66,29.6)
  IC1 w0.05: v1(16.66,29.6) 16.71,29.65 18.29,29.65 18.64,29.3 25.4,29.3 25.79,28.91 27.86,28.91 29.89,30.94 41.05,30.94 41.73,31.62 43.09,31.62 43.75,30.96 47.11,30.96 49.49,28.58 56.06,28.58 56.15,28.49 57.41,28.49 57.45,28.53 60.6,28.53 61.37,29.3 v1(63.83,29.3)
  BC1 w0.05: v11(48.51,64.15) 48.51,64.42 48.41,64.52 48.41,67.69 48.24,67.86 48.24,69.66 47.7,70.2 45.15,70.2 44.94,69.99 v11(44.94,69.63) ; v11(27.93,66.47) 34.59,66.47 ; 34.59,66.47 35.24,66.47 35.59,66.82 v11(39.19,66.82) ; 34.59,66.47 34.59,67.52 34.02,68.09 34.02,68.67 33.18,69.51 32.89,69.51 31.32,71.08 31.32,73.36 32.26,74.3 v11(32.26,77.41) ; v11(17.79,28.01) 17.79,28.93 17.13,29.59 16.67,29.59 v1(16.66,29.6) ; v11(27.05,37.61) 27.41,37.97 27.41,39.45 26.9,39.96 26.9,48.1 26.77,48.23 26.77,50.73 26.44,51.06 26.44,53.25 v11(27.01,53.82) 27.01,54.38 26.89,54.5 26.89,56.69 27.26,57.06 27.26,61.55 27.62,61.91 27.85,61.91 28.02,62.08 28.02,63.76 27.86,63.92 v11(27.86,65.49) ; v1(63.83,29.3) 63.3,29.3 63.12,29.12 v11(62.79,29.12) ; v11(22.23,29.22) 22.83,29.22 23.63,30.02 23.63,31.64 26.44,34.45 26.44,34.76 26.48,34.8 v11(26.91,34.8)
  BC2 w0.05: v11(27.05,37.61) 27.05,34.94 v11(26.91,34.8) 26.92,34.79 29.37,34.79 29.38,34.78 ; U1.T9 62.75,29.08 v11(62.79,29.12) ; v11(44.94,69.63) 39.81,69.63 39.31,69.13 39.31,66.94 v11(39.19,66.82) ; v11(17.79,28.01) 21.02,28.01 v11(22.23,29.22) ; v11(27.93,66.47) 27.93,65.56 v11(27.86,65.49) ; v11(32.26,77.41) 32.54,77.41 32.79,77.66 U23.F12 ; 48.73,64.18 48.71,64.15 v11(48.51,64.15)
RAM_IOU6: length 166.6
  FC2 w0.3: v1(15.93,29.68) 16.31,29.31 U30.9
  IC3 w0.05: v1(64.74,24.2) 64.64,24.3 63.67,24.3 63.34,24.63 39.63,24.63 38.84,23.84 v1(18.56,23.84)
  BC1 w0.05: v11(30.83,75.38) 25.4,75.38 25.32,75.3 25.32,74.75 25.63,74.44 25.63,71.5 24.93,70.8 24.93,69.89 24.93,70.67 24.93,67.02 24.88,66.97 24.91,67 24.67,66.76 24.67,64.64 24.95,64.36 ; v11(26.63,31.51) 24.93,31.51 v11(24.92,31.52) ; v11(18.03,30.22) 18.03,29.84 18.56,29.31 v1(18.56,23.84) ; v11(47.42,65.54) 47.42,65.98 47.55,66.11 47.55,67.7 v11(45.81,69.44) ; v11(61.54,29.14) 61.54,28.75 62.02,28.27 62.94,28.27 63.13,28.08 63.13,27.73 63.61,27.25 v11(64.08,27.25) ; 24.95,64.36 24.95,64.13 ; 24.95,64.36 24.95,60.44 24.55,60.04 22.56,60.04 22.01,59.49 22.01,56.02 23,55.03 23,53.4 21.39,51.79 ; v11(36.13,77.42) 36.13,75.02 37.93,73.22 37.93,70.65 38.44,70.14 v11(38.86,70.14) ; 21.39,51.79 16.74,47.14 16.74,39.91 18.02,38.63 18.02,30.26 18.01,30.25 ; 21.39,51.79 21.31,51.71
  BC2 w0.05: v11(26.63,31.51) 26.63,31.91 26.48,32.06 26.48,33.94 26.82,34.28 29.38,34.28 ; v11(38.86,70.14) 39.32,70.14 39.4,70.06 42.82,70.06 42.99,70.23 45.59,70.23 45.81,70.01 v11(45.81,69.44) ; v11(24.92,31.52) 24.92,31.52 19.33,31.52 v11(18.03,30.22) 16.47,30.22 v1(15.93,29.68) ; v11(36.13,77.42) 33.63,77.42 33.12,76.91 U23.F13 32.5,76.91 32.14,76.55 32.14,75.66 31.86,75.38 v11(30.83,75.38) ; v11(47.42,65.54) 47.42,65.5 47.47,65.45 ; v11(64.08,27.25) 64.44,27.25 64.95,26.74 64.95,25.49 64.74,25.28 v1(64.74,24.2) ; v11(61.54,29.14) 61.48,29.08 U1.R9
RAM_IOU7: length 165.9
  FC2 w0.05: v2(15.42,30.92) 15.65,30.92 15.78,30.79 15.78,30.12 15.51,29.85 U30.10